# Altium PCB Motor_Control_Board.PcbDoc
Units mm, origin at the board's own origin, x right, y up, seen from the top; angles counter-clockwise.
Board outline 75 x 75 mm, 2 copper layers (Top Layer, Bottom Layer); 145 components, 96 nets, 486 pads, 0 vias.
Unrouted connection lines stored in the file: 343.
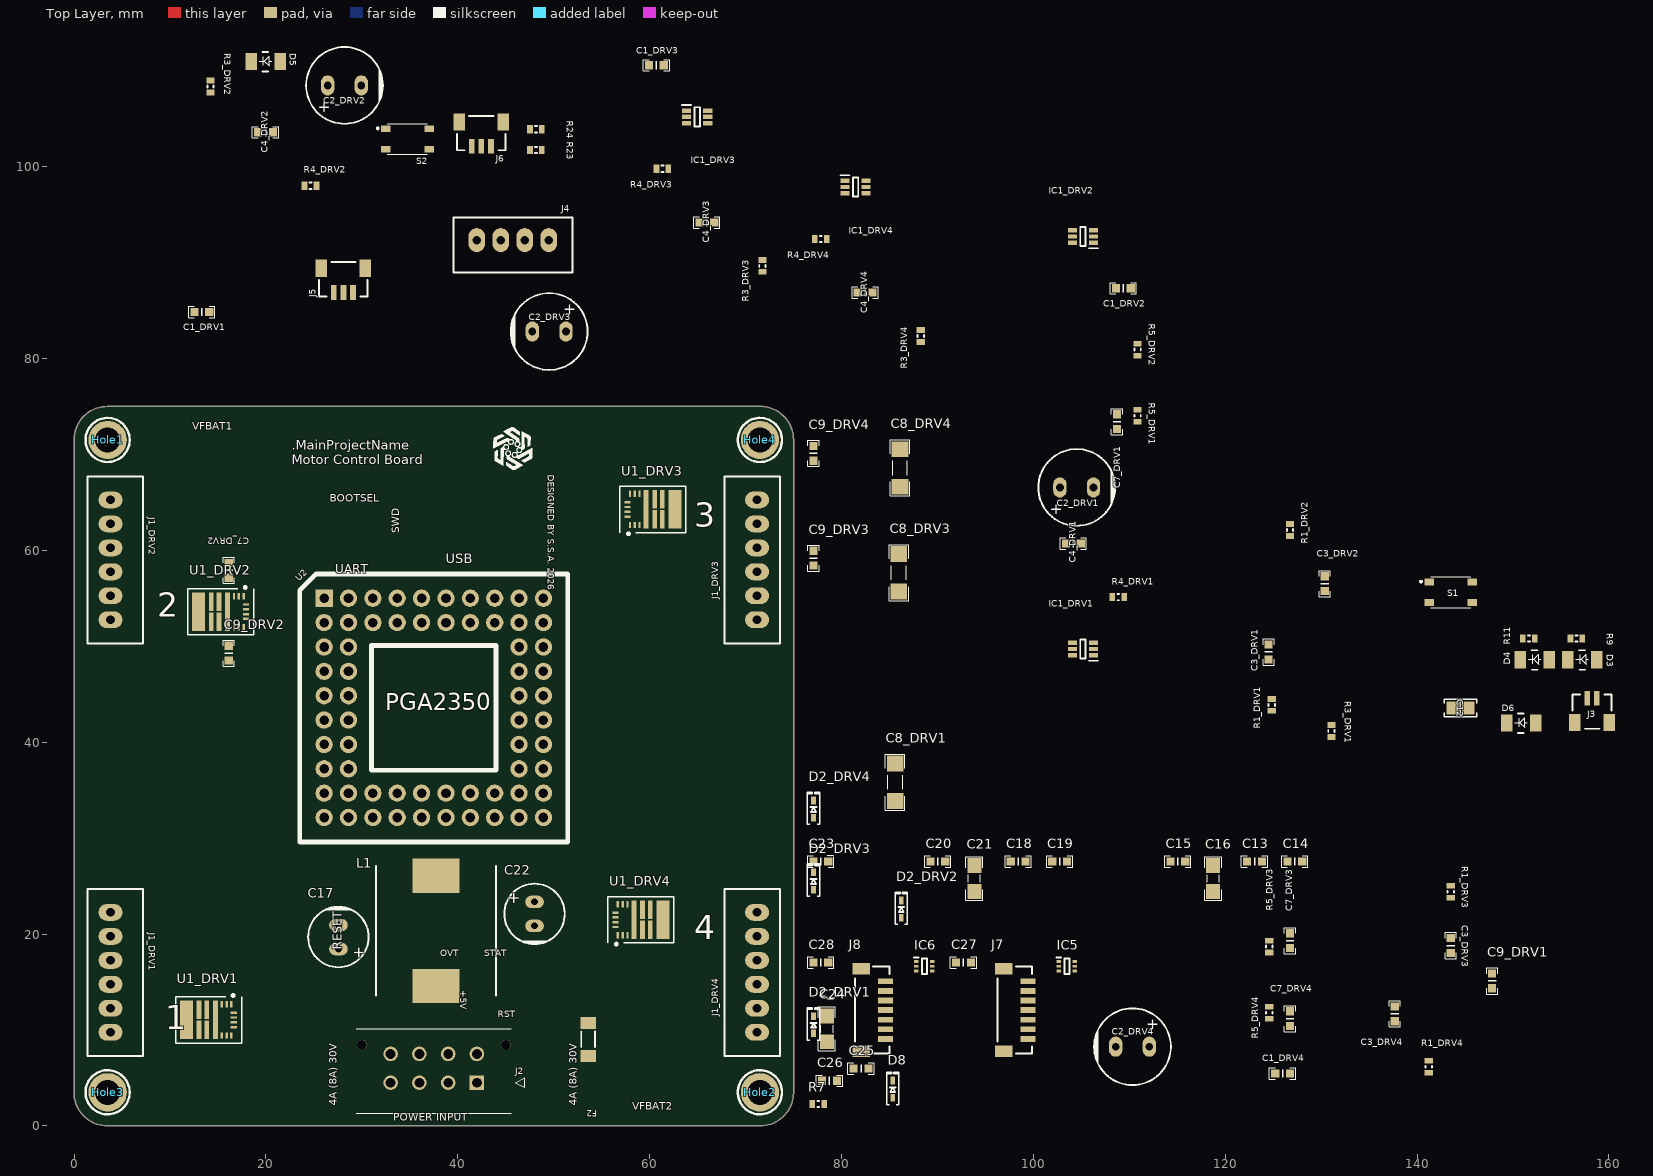
[diagram p0: Top Layer view]
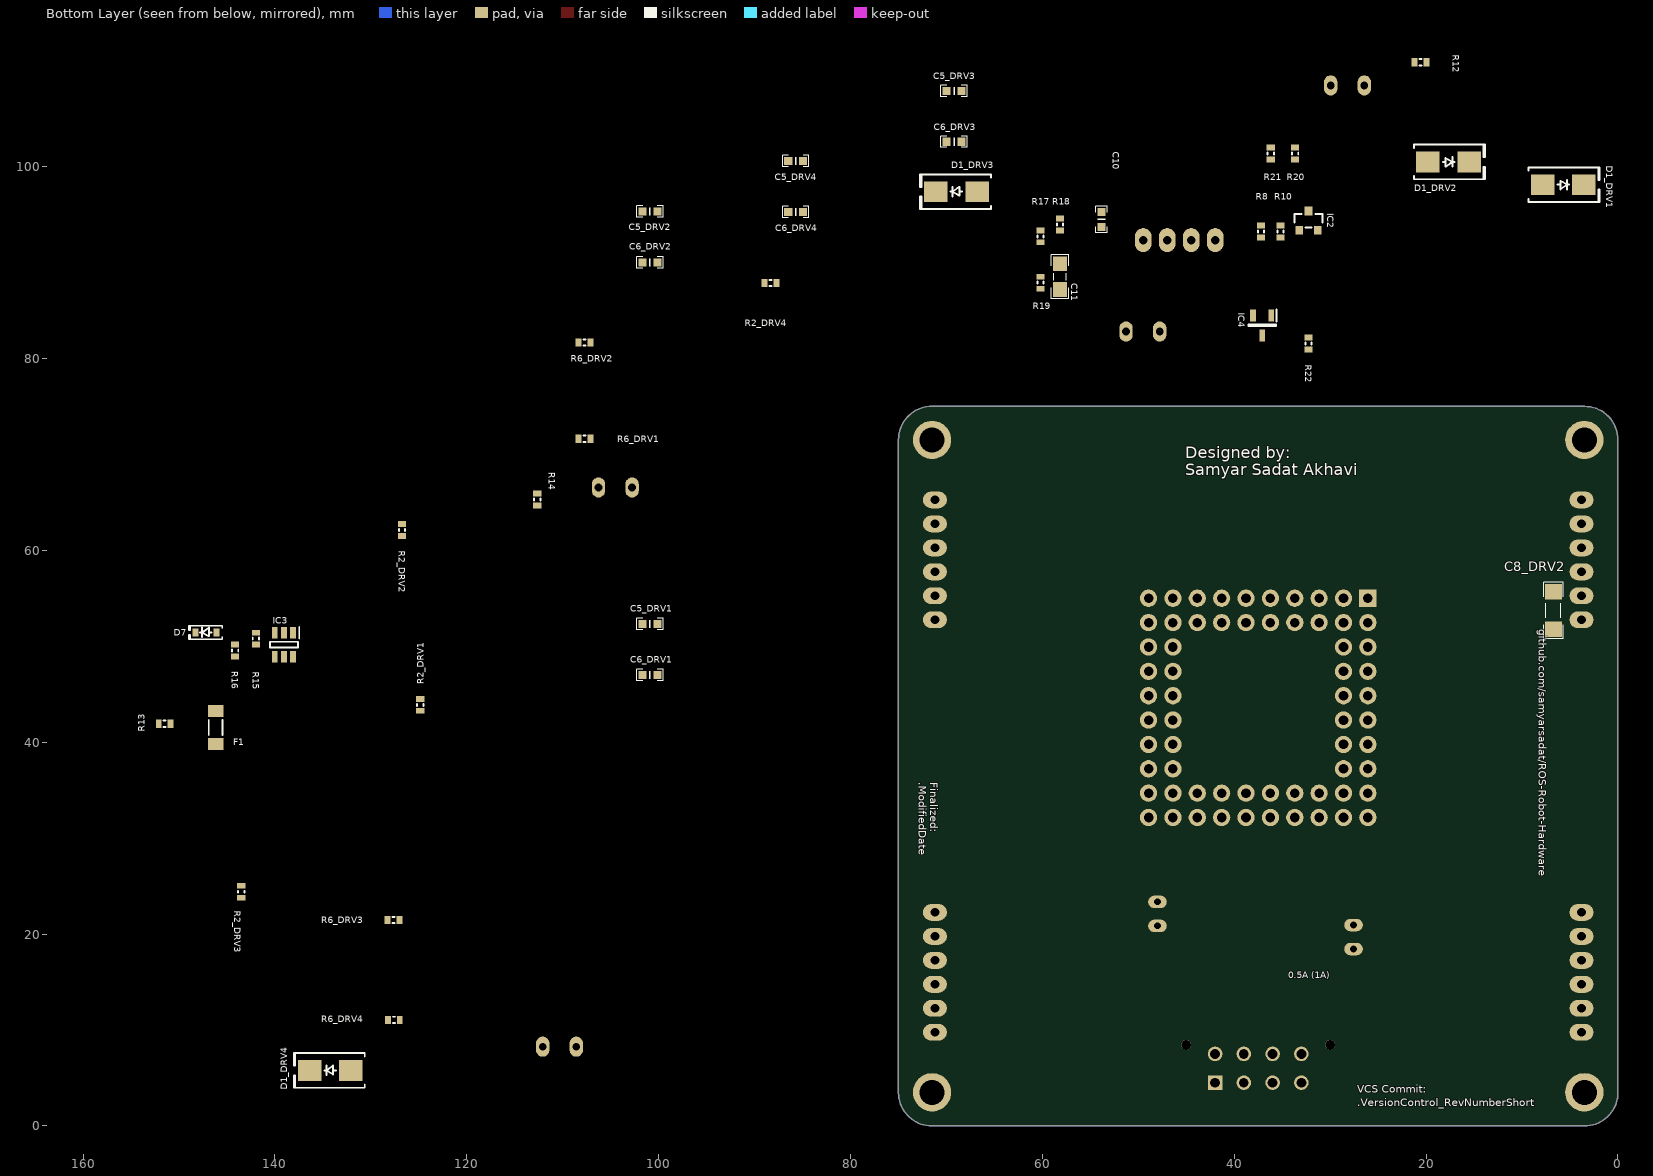
[diagram p1: Bottom Layer view, seen from below]

## Layer stack, top to bottom
Top Solder: solder mask 0.0254, SM-002, Dk 4
Top Layer: signal copper 0.07
Dielectric 1: dielectric 0.32, FR-4, Dk 4.8
Bottom Layer: signal copper 0.07
Bottom Solder: solder mask 0.0254, SM-002, Dk 4

## Board outline
0,3.479 0,71.521 cw(c3.479,71.521) 3.479,75 71.521,75 cw(c71.521,71.521) 75,71.521 75,3.479 cw(c71.521,3.479) 71.521,0 3.479,0 cw(c3.479,3.479)

## Design rules (kind name [scope] priority, off if disabled: settings)
BoardOutlineClearance [All] p1: gap=0.2 ignorepadtopadclearanceinfootprint=FALSE
Clearance "Stitching GND" [IsStitchingVia and InNet('GND') vs (IsVia and (Not IsStitchingVia)) Or IsPad] p1: gap=0.2 ignorepadtopadclearanceinfootprint=FALSE except(0.15: SMDPad-SMDPad; 0.28: Arc-Hole Track-Hole)
Clearance [All] p2: gap=0.2 ignorepadtopadclearanceinfootprint=FALSE except(0.15: SMDPad-SMDPad; 0.28: Arc-Hole Track-Hole)
DiffPairsRouting [All] p1: maxlimit=0.254 minlimit=0.254 mostfreqgap=0.254 toplayer_minwidth=0.381 toplayer_maxwidth=0.5 toplayer_prefwidth=0.4 bottomlayer_minwidth=0.381 bottomlayer_maxwidth=0.5 bottomlayer_prefwidth=0.4 maxuncoupledlength=12.7
Height [All] p1: minheight=0 maxheight=30 prefheight=15
HoleSize [All] p1: absolutevalues=TRUE maxlimit=6 minlimit=0.3 maxpercent=80.000 minpercent=20.000
HoleToHoleClearance HoleToHolePad [IsPad vs IsPad] p1: gap=0.45 allowstackedmicrovias=TRUE
HoleToHoleClearance HoleToHoleVia [IsVia vs IsVia] p2: gap=0.2 allowstackedmicrovias=TRUE
HoleToHoleClearance [All] p3: gap=0.3 allowstackedmicrovias=TRUE
MinimumAnnularRing MinimumViaAnnularRing [IsVia] p1: minimumring=0.15
MinimumAnnularRing [All] p2: minimumring=0.254
MinimumSolderMaskSliver [All] p1: minsoldermaskwidth=0.1
PlaneConnect [All] p1: planeconnectstyle=Relief reliefexpansion=0.508 reliefentries=4 reliefconductorwidth=0.32 reliefairgap=0.254
PolygonConnect MolexPwrGND [InNet('GND') vs IsPad And HasFootprint('43045-08YY_121314')] p1: connectstyle=Relief reliefconductorwidth=1 reliefentries=4 polygonreliefangle="90 Angle" conductorbypadedge=TRUE mindistance=0.381 enablemindistance=FALSE airgapwidth=0.35
PolygonConnect DRVTherrmalGND [InNet('GND') vs IsPad And HasFootprint('RXZ0016A-MFG')] p2: connectstyle=Direct reliefconductorwidth=0.254 reliefentries=4 polygonreliefangle="90 Angle" airgapwidth=0.254
PolygonConnect GNDStitchingDirect [InNet('GND')] p3: thpad.connectstyle=Relief thpad.reliefconductorwidth=0.32 thpad.reliefentries=4 thpad.polygonreliefangle="90 Angle" thpad.airgapwidth=0.254 thpad.conductorbypadedge=TRUE thpad.mindistance=0.381 thpad.enablemindistance=FALSE smdpad.connectstyle=Relief smdpad.reliefconductorwidth=0.32 smdpad.reliefentries=4 smdpad.polygonreliefangle="90 Angle" smdpad.airgapwidth=0.254 smdpad.conductorbypadedge=TRUE smdpad.mindistance=0.381 smdpad.enablemindistance=FALSE via.connectstyle=Direct via.reliefconductorwidth=0.254 via.reliefentries=4 via.polygonreliefangle="90 Angle" via.airgapwidth=0.254
PolygonConnect [All] p4: connectstyle=Relief reliefconductorwidth=0.32 reliefentries=4 polygonreliefangle="90 Angle" conductorbypadedge=TRUE mindistance=0.381 enablemindistance=FALSE airgapwidth=0.254
RoutingVias PowerVias [InNetClass('POWER') or InNet('GND')] p1: holewidth=0.5 width=0.8 viastyle="Through Hole" minholewidth=0.3 minwidth=0.6 maxholewidth=1.2 maxwidth=1.6
RoutingVias SignalVias [All] p2: holewidth=0.3 width=0.6 viastyle="Through Hole" minholewidth=0.3 minwidth=0.6 maxholewidth=0.5 maxwidth=0.8
SilkToSilkClearance [All] p1: silktosilkclearance=0.1
SilkToSolderMaskClearance [IsPad] p1: minsilkscreentomaskgap=0.1 clearancetoexposedcopper=TRUE
SolderMaskExpansion [All] p1: expansion=0.05 istentingtop=FALSE
SupplyNets "Supply Net VMOT" [InNet('VMOT')] p1: voltage=12.60
SupplyNets "Supply Net 5V" [InNet('+5V')] p2: voltage=5.000
SupplyNets "Supply Net 3V3" [InNet('+3V3')] p3: voltage=3.300
SupplyNets "Supply Net GND" [InNet('GND')] p4: voltage=0.000
UnRoutedNet [All] p1: checkbadconnections=TRUE
Width WidthPower [InNetClass('POWER') or InNet('GND')] p1: maxlimit=3 minlimit=0.2 preferedwidth=0.6
Width WidthSignal [All] p2: maxlimit=1 minlimit=0.2 preferedwidth=0.3
21 further rules are at their usual default settings.

## Classes and differential pairs
component class SENS: C27 C28 IC5 IC6 J7 J8
net class POWER: +3V3 +5V VMOT
channel class Motor_Driver: DRV1 DRV2 DRV3 DRV4
component class PWR: aa C10 C11 C12 C13 C14 C15 C16 C17 C18 C19 C20 C21 C22 C23 D5 D6 D7 F1 F2 IC3 J2 J3 L1 R12 R13 R14 R15 R16 R17 R18 R19 S1
component class Motor_Control_Board: aa D3 D4 Hole1 Hole2 Hole3 Hole4 IC2 R7 R8 R9 R10 R11
component class MCU: ** aa C24 C25 C26 IC4 J4 J5 J6 R20 R21 R22 R23 R24 S2 U2
component class DRV4: aa C1_DRV4 C2_DRV4 C3_DRV4 C4_DRV4 C5_DRV4 C6_DRV4 C7_DRV4 C8_DRV4 C9_DRV4 D1_DRV4 IC1_DRV4 J1_DRV4 R1_DRV4 R2_DRV4 R3_DRV4 R4_DRV4 R5_DRV4 R6_DRV4 U1_DRV4
component class DRV3: aa C1_DRV3 C2_DRV3 C3_DRV3 C4_DRV3 C5_DRV3 C6_DRV3 C7_DRV3 C8_DRV3 C9_DRV3 D1_DRV3 IC1_DRV3 J1_DRV3 R1_DRV3 R2_DRV3 R3_DRV3 R4_DRV3 R5_DRV3 R6_DRV3 U1_DRV3
component class DRV2: aa C1_DRV2 C2_DRV2 C3_DRV2 C4_DRV2 C5_DRV2 C6_DRV2 C7_DRV2 C8_DRV2 C9_DRV2 D1_DRV2 IC1_DRV2 J1_DRV2 R1_DRV2 R2_DRV2 R3_DRV2 R4_DRV2 R5_DRV2 R6_DRV2 U1_DRV2
component class DRV1: aa C1_DRV1 C2_DRV1 C3_DRV1 C4_DRV1 C5_DRV1 C6_DRV1 C7_DRV1 C8_DRV1 C9_DRV1 D1_DRV1 IC1_DRV1 J1_DRV1 R1_DRV1 R2_DRV1 R3_DRV1 R4_DRV1 R5_DRV1 R6_DRV1 U1_DRV1
differential pair USB_DIFF: +USB_DIFF_P -USB_DIFF_N

## Components (designator, comment, footprint, x,y, rotation, side; value= is the part's Value field where it differs from the comment)
C1_DRV1 "100nF" CAP_SMD_603 13.317,84.832 r180 top (schematic designator C1)
C1_DRV2 "100nF" CAP_SMD_603 109.38,87.319 r180 top (schematic designator C1)
C1_DRV3 "100nF" CAP_SMD_603 60.706,110.564 r0 top (schematic designator C1)
C1_DRV4 "100nF" CAP_SMD_603 125.984,5.461 r0 top (schematic designator C1)
C2_DRV1 "470uF" "CAP TH ALUM ELEC D8.00mm S3.50mm H11.50mm" 104.521,66.548 r180 top (schematic designator C2)
C2_DRV2 "470uF" "CAP TH ALUM ELEC D8.00mm S3.50mm H11.50mm" 28.194,108.458 r180 top (schematic designator C2)
C2_DRV3 "470uF" "CAP TH ALUM ELEC D8.00mm S3.50mm H11.50mm" 49.53,82.804 r0 top (schematic designator C2)
C2_DRV4 "470uF" "CAP TH ALUM ELEC D8.00mm S3.50mm H11.50mm" 110.335,8.255 r0 top (schematic designator C2)
C3_DRV1 "47nF" CAP_SMD_603 124.53,49.403 r270 top (schematic designator C3)
C3_DRV2 "47nF" CAP_SMD_603 130.372,56.515 r90 top (schematic designator C3)
C3_DRV3 "47nF" CAP_SMD_603 143.51,18.796 r90 top (schematic designator C3)
C3_DRV4 "47nF" CAP_SMD_603 137.668,11.684 r270 top (schematic designator C3)
C4_DRV1 "180pF" CAP_SMD_603 104.162,60.705 r180 top locked (schematic designator C4)
C4_DRV2 "180pF" CAP_SMD_603 19.961,103.578 r180 top locked (schematic designator C4)
C4_DRV3 "180pF" CAP_SMD_603 65.961,94.178 r0 top locked (schematic designator C4)
C4_DRV4 "180pF" CAP_SMD_603 82.471,86.865 r0 top locked (schematic designator C4)
C5_DRV1 "180pF" CAP_SMD_603 100.912,52.305 r0 bottom (schematic designator C5)
C5_DRV2 "180pF" CAP_SMD_603 100.912,95.305 r0 bottom (schematic designator C5)
C5_DRV3 "180pF" CAP_SMD_603 69.211,107.878 r180 bottom (schematic designator C5)
C5_DRV4 "180pF" CAP_SMD_603 85.721,100.565 r180 bottom (schematic designator C5)
C6_DRV1 "100nF" CAP_SMD_603 100.912,47.005 r0 bottom (schematic designator C6)
C6_DRV2 "100nF" CAP_SMD_603 100.912,90.005 r0 bottom (schematic designator C6)
C6_DRV3 "100nF" CAP_SMD_603 69.211,102.578 r180 bottom (schematic designator C6)
C6_DRV4 "100nF" CAP_SMD_603 85.721,95.265 r180 bottom (schematic designator C6)
C7_DRV1 "1nF" CAP_SMD_603 108.712,73.406 r90 top (schematic designator C7)
C7_DRV2 "1nF" CAP_SMD_603 16.129,57.912 r90 top (schematic designator C7)
C7_DRV3 "1nF" CAP_SMD_603 126.746,19.304 r270 top (schematic designator C7)
C7_DRV4 "1nF" CAP_SMD_603 126.746,11.176 r90 top (schematic designator C7)
C8_DRV1 "100nF" CAP_SMD_1206 85.598,35.814 r90 top (schematic designator C8)
C8_DRV2 "100nF" CAP_SMD_1206 6.731,53.721 r90 bottom (schematic designator C8)
C8_DRV3 "100nF" CAP_SMD_1206 85.979,57.658 r90 top (schematic designator C8)
C8_DRV4 "100nF" CAP_SMD_1206 86.106,68.58 r90 top (schematic designator C8)
C9_DRV1 "1nF" CAP_SMD_603 147.828,15.113 r90 top (schematic designator C9)
C9_DRV2 "1nF" CAP_SMD_603 16.129,49.276 r270 top (schematic designator C9)
C9_DRV3 "1nF" CAP_SMD_603 77.089,59.182 r90 top (schematic designator C9)
C9_DRV4 "1nF" CAP_SMD_603 77.089,70.104 r90 top (schematic designator C9)
C10 "100nF" CAP_SMD_603 53.848,94.488 r90 bottom
C11 "1uF" CAP_SMD_805 58.166,88.519 r270 bottom
C12 "22 µF" "CAP 0805_2012" 144.517,43.561 r0 top
C13 "1nF" CAP_SMD_603 123.063,27.559 r0 top
C14 "10nF" CAP_SMD_603 127.254,27.559 r0 top
C15 "100nF" CAP_SMD_603 115.062,27.559 r0 top
C16 "1uF" CAP_SMD_805 118.745,25.781 r90 top
C17 "150uF" "CAP TH ALUM ELEC D6.30mm S2.50mm H12.50mm" 27.559,19.685 r270 top
C18 "1nF" CAP_SMD_603 98.425,27.559 r0 top
C19 "10nF" CAP_SMD_603 102.743,27.559 r0 top
C20 "100nF" CAP_SMD_603 90.043,27.559 r0 top
C21 "1uF" CAP_SMD_805 93.853,25.781 r90 top
C22 "150uF" "CAP TH ALUM ELEC D6.30mm S2.50mm H12.50mm" 48.006,22.098 r90 top
C23 "22nF" CAP_SMD_603 77.851,27.559 r0 top
C24 "10uF" CAP_SMD_805 78.486,10.113 r90 top
C25 "100nF" CAP_SMD_603 82.042,5.969 r0 top
C26 "100nF" CAP_SMD_603 78.74,4.699 r0 top
C27 "100nF" CAP_SMD_603 92.71,17.018 r0 top
C28 "100nF" CAP_SMD_603 77.851,17.018 r0 top
D1_DRV1 "SMBJ13A" "DO214AA SMB" 5.705,98.118 r180 bottom (schematic designator D1)
D1_DRV2 "SMBJ13A" "DO214AA SMB" 17.661,100.478 r180 bottom (schematic designator D1)
D1_DRV3 "SMBJ13A" "DO214AA SMB" 68.961,97.378 r0 bottom (schematic designator D1)
D1_DRV4 "SMBJ13A" "DO214AA SMB" 134.239,5.775 r0 bottom (schematic designator D1)
D2_DRV1 "ESD5Z3.3T1G" SOD523F 77.089,10.541 r90 top (schematic designator D2)
D2_DRV2 "ESD5Z3.3T1G" SOD523F 86.233,22.595 r90 top (schematic designator D2)
D2_DRV3 "ESD5Z3.3T1G" SOD523F 77.089,25.527 r90 top (schematic designator D2)
D2_DRV4 "ESD5Z3.3T1G" SOD523F 77.089,33.02 r90 top (schematic designator D2)
D3 "LED" LED_1206 157.264,48.641 r0 top
D4 "LED" LED_1206 152.311,48.641 r0 top
D5 "LED" LED_1206 19.999,110.998 r0 top
D6 "LED" LED_1206 150.876,42.037 r0 top
D7 "BAS416,115" "SOD323 IPC" 147.193,51.435 r180 bottom
D8 "ESD5Z3.3T1G" SOD523F 85.344,3.821 r90 top
F1 "SF-1206F100-2" "FUSE 1206_3216 0.6MM" 146.177,41.529 r90 bottom
F2 "3413.0328.22" "FUSE 1206_3216 0.6MM" 53.594,9.017 r270 top
Hole1 "Hole" hole_2.6 3.5,71.5 r0 top locked
Hole2 "Hole" hole_2.6 71.5,3.5 r0 top locked
Hole3 "Hole" hole_2.6 3.5,3.5 r0 top locked
Hole4 "Hole" hole_2.6 71.5,71.5 r0 top locked
IC1_DRV1 "SN74LVC2G17DCKR" SOP65P210X110-6N 105.162,49.705 r180 top locked (schematic designator IC1)
IC1_DRV2 "SN74LVC2G17DCKR" SOP65P210X110-6N 105.162,92.705 r180 top locked (schematic designator IC1)
IC1_DRV3 "SN74LVC2G17DCKR" SOP65P210X110-6N 64.961,105.178 r0 top locked (schematic designator IC1)
IC1_DRV4 "SN74LVC2G17DCKR" SOP65P210X110-6N 81.471,97.865 r0 top locked (schematic designator IC1)
IC2 "DMP2045UQ-7" "DIODES SOT-23-3" 32.258,94.361 r90 bottom
IC3 "TPS3808G50DBVR" SOT95P280X145-6N 139.065,50.165 r270 bottom
IC4 "LM4040A30IDBZR" SOT95P237X112-3N 37.084,83.439 r270 bottom
IC5 "TMP112AIDRLR" SOTFL50P160X60-6N 103.505,16.637 r0 top
IC6 "TMP112AIDRLR" SOTFL50P160X60-6N 88.646,16.637 r0 top
J1_DRV1 "B6B-XH-A(LF)(SN)" "JST XH B6B-XH-A" 3.8,16 r90 top locked (schematic designator J1)
J1_DRV2 "B6B-XH-A(LF)(SN)" "JST XH B6B-XH-A" 3.8,59 r90 top locked (schematic designator J1)
J1_DRV3 "B6B-XH-A(LF)(SN)" "JST XH B6B-XH-A" 71.2,59 r270 top locked (schematic designator J1)
J1_DRV4 "B6B-XH-A(LF)(SN)" "JST XH B6B-XH-A" 71.2,16 r270 top locked (schematic designator J1)
J2 "43045-0812" 43045-08YY_121314 42,4.5 r0 top locked
J3 "BM02B-SRSS-TB(LF)(SN)" "JST BM02B-SRSS-TB" 158.242,43.307 r180 top
J4 "B4B-XH-A(LF)(SN)" "JST XH B4B-XH-A" 45.74,92.329 r0 top
J5 "BM03B-SRSS-TB(LF)(SN)" "JST BM03B-SRSS-TB" 28.081,88.146 r0 top
J6 "BM03B-SRSS-TB(LF)(SN)" "JST BM03B-SRSS-TB" 42.461,103.378 r0 top
J7 "BM07B-SRSS-TB(LF)(SN)" "JST BM07B-SRSS-TB" 98.171,12.065 r90 top
J8 "BM07B-SRSS-TB(LF)(SN)" "JST BM07B-SRSS-TB" 83.312,12.065 r90 top
L1 "PA4343.222NLT" INDPM135125X650N 37.719,20.32 r270 top
R1_DRV1 "3.4k" RES_0603 124.85,43.26 r90 top (schematic designator R1)
R1_DRV2 "3.4k" RES_0603 126.746,62.738 r270 top (schematic designator R1)
R1_DRV3 "3.4k" RES_0603 143.51,25.019 r270 top (schematic designator R1)
R1_DRV4 "3.4k" RES_0603 141.224,5.541 r90 top (schematic designator R1)
R2_DRV1 "4.7k" RES_0603 124.85,43.26 r90 bottom (schematic designator R2)
R2_DRV2 "4.7k" RES_0603 126.746,62.738 r270 bottom (schematic designator R2)
R2_DRV3 "4.7k" RES_0603 143.51,25.019 r270 bottom (schematic designator R2)
R2_DRV4 "4.7k" RES_0603 88.971,87.865 r180 bottom (schematic designator R2)
R3_DRV1 "0R" RES_0603 131.064,41.783 r270 top (schematic designator R3)
R3_DRV2 "0R" RES_0603 14.224,108.966 r270 top (schematic designator R3)
R3_DRV3 "0R" RES_0603 71.755,89.027 r90 top (schematic designator R3)
R3_DRV4 "0R" RES_0603 88.265,81.714 r90 top (schematic designator R3)
R4_DRV1 "100R" RES_0603 109.474,55.118 r180 top (schematic designator R4)
R4_DRV2 "100R" RES_0603 25.273,97.991 r180 top (schematic designator R4)
R4_DRV3 "100R" RES_0603 60.706,99.769 r0 top (schematic designator R4)
R4_DRV4 "100R" RES_0603 77.216,92.456 r0 top (schematic designator R4)
R5_DRV1 "100R" RES_0603 110.871,73.406 r90 top (schematic designator R5)
R5_DRV2 "100R" RES_0603 110.871,81.534 r270 top (schematic designator R5)
R5_DRV3 "100R" RES_0603 124.587,19.304 r270 top (schematic designator R5)
R5_DRV4 "100R" RES_0603 124.587,11.176 r90 top (schematic designator R5)
R6_DRV1 "4.7k" RES_0603 107.108,71.628 r0 bottom (schematic designator R6)
R6_DRV2 "4.7k" RES_0603 107.108,81.661 r0 bottom (schematic designator R6)
R6_DRV3 "4.7k" RES_0603 128.27,21.463 r180 bottom (schematic designator R6)
R6_DRV4 "4.7k" RES_0603 128.223,11.049 r180 bottom (schematic designator R6)
R7 "10k" RES_0603 76.962,2.286 r0 top
R8 "10k" RES_0603 37.211,93.853 r270 bottom
R9 "220R" RES_0603 157.226,50.8 r180 top
R10 "220R" RES_0603 35.179,93.853 r270 bottom
R11 "220R" RES_0603 152.273,50.8 r180 top
R12 "1.76k" RES_0603 19.961,110.878 r0 bottom
R13 "330R" RES_0603 150.876,41.91 r0 bottom
R14 "10k" RES_0603 112.649,65.913 r270 bottom
R15 "49.9k" RES_0603 141.986,50.165 r90 bottom
R16 "10k" RES_0603 144.145,50.165 r270 bottom
R17 "25.5k" RES_0603 60.198,93.345 r270 bottom
R18 "8.25k" RES_0603 58.166,93.345 r90 bottom
R19 "100R" RES_0603 60.198,88.519 r270 bottom
R20 "10k" RES_0603 33.655,101.981 r270 bottom
R21 "10k" RES_0603 36.195,101.981 r270 bottom
R22 "1.5k" RES_0603 32.258,82.169 r270 bottom
R23 "100R" RES_0603 48.768,101.727 r180 top
R24 "100R" RES_0603 48.768,103.886 r180 top
S1 "PTS815_SJK_250_SMTR_LFS" PTS815SJK250SMTRLFS 143.51,55.626 r0 top
S2 "PTS815_SJK_250_SMTR_LFS" PTS815SJK250SMTRLFS 34.761,102.878 r0 top locked
U1_DRV1 "DRV8245SQRXZRQ1" RXZ0016A-MFG 14.032,11.049 r270 top (schematic designator U1)
U1_DRV2 "DRV8245SQRXZRQ1" RXZ0016A-MFG 15.302,53.594 r270 top (schematic designator U1)
U1_DRV3 "DRV8245SQRXZRQ1" RXZ0016A-MFG 60.325,64.262 r90 top (schematic designator U1)
U1_DRV4 "DRV8245SQRXZRQ1" RXZ0016A-MFG 59.071,21.485 r90 top (schematic designator U1)
U2 "PGA2350" PGA2350 26.07,55 r0 top locked

## Footprints (in the part's own frame and the unit in brackets; to place one, negate y for a bottom-side part, rotate by r counter-clockwise, add the part's x,y. Pads: shape width x height; smd on the part's side, far side on the other; paste and mask are expansions set on the pad)
43045-08YY_121314 [mm]
  rect 1.52x1.52 hole 1.02: 1(0,0)
  round 1.52 hole 1.02: 2(-3,0) 3(-6,0) 4(-9,0) 5(0,3) 6(-3,3) 7(-6,3) 8(-9,3)
  round 1.02 hole 1.02 unplated: 9(3,3.94) 10(-12,3.94)
  silkscreen extent -12.57,-3.17 5,5.6, body extent -12.58,-2.47 3.57,6.3, height 9.83
"CAP 0805_2012" [mm] "Chip Capacitor, 2-Leads, Body 2.00x1.20mm, IPC Medium Density"
  rect 1.3x1.4 smd: 1(-0.8,0) 2(0.8,0)
  silkscreen extent -1.7,-0.9 1.7,0.9, body extent -1,-0.64 1,0.64, height 1.26
"CAP TH ALUM ELEC D6.30mm S2.50mm H12.50mm" [mm] "6.3mm Diameter 2.5mm Lead Spacing Aluminum Electrolytic Capacitors Radial, Can"
  oval 1.3x1.95 hole 0.7: 1(1.25,0) 2(-1.25,0)
  silkscreen extent -3.15,-3.15 3.15,3.15, body extent -3.16,-3.15 3.15,3.15, height 12.5
"CAP TH ALUM ELEC D8.00mm S3.50mm H11.50mm" [mm] "8mm Diameter 3.5mm Lead Spacing Aluminum Electrolytic Capacitors Radial, Can"
  oval 1.4x2.1 hole 0.8: 1(1.75,0) 2(-1.75,0)
  silkscreen extent -4,-4 4,4, body extent -4.01,-4 4,4, height 11.5
CAP_SMD_603 [mm]
  rect 0.85x0.85 smd: 1(-0.775,0) 2(0.775,0)
  silkscreen extent -1.37,-0.59 1.37,0.59, body extent -0.8,-0.4 0.8,0.4, height 0.9
CAP_SMD_805 [mm]
  rect 1.55x1.45 smd: 1(-1.35,0) 2(1.35,0)
  silkscreen extent -2.29,-0.89 2.29,0.89, body extent -1,-0.63 1,0.62, height 0.78
CAP_SMD_1206 [mm]
  rect 1.65x1.75 smd: 1(-1.95,0) 2(1.95,0)
  silkscreen extent -2.92,-1.02 2.92,1.02, body extent -1.6,-0.8 1.6,0.8, height 1
"DIODES SOT-23-3" [mm] "SOT23, 3-Leads, Body 2.90x2.40mm, Pitch 0.95mm, IPC Medium Density"
  rect 0.9x0.8 smd: 1(-1,0.95) 2(-1,-0.95) 3(1,0)
  silkscreen extent -0.7,-1.45 0.7,1.45, body extent -1.41,-1.45 1.41,1.45, height 1.5
"DO214AA SMB" [mm] "Molded Diode, 2-Leads, Body 4.31x3.62mm, IPC Medium Density"
  rect 2.45x2.15 smd: 1(-2.15,0) 2(2.15,0)
  silkscreen extent -3.6,-1.8 3.8,1.8, body extent -2.6,-1.8 2.6,1.8, height 2.4
"FUSE 1206_3216 0.6MM" [mm] "Chip Fuse 1.5A AC 63V DC, 2-Leads, Body 3.10x1.55mm, IPC Medium Densitym"
  rect 1.25x1.65 smd: 1(-1.725,0) 2(1.725,0)
  silkscreen extent -0.8,-0.72 0.8,0.72, body extent -1.55,-0.77 1.55,0.78, height 0.76
hole_2.6 [mm] "2.6mm hole with exposed ring"
  round 4 hole 2.6: 1(0,0)
  silkscreen extent -2.3,-2.3 2.3,2.3
INDPM135125X650N [mm]
  rect 3.55x4.9 smd: 1(-5.75,0) 2(5.75,0)
  silkscreen extent -6.75,-6.25 6.75,6.25, body extent -6.75,-6.25 6.75,6.25, height 6.5
"JST BM02B-SRSS-TB" [mm] "1.0mm pitch/Disconnectable Crimp style connector"
  rect 0.6x1.55 smd: 1(-0.5,-1.262) 2(0.5,-1.262)
  rect 1.2x1.8 smd: M(-1.8,1.262) M(1.8,1.262)
  silkscreen extent -2.03,-1.68 2.03,1.91, body extent -2,-1.69 2,1.91, height 4.32
"JST BM03B-SRSS-TB" [mm] "1.0mm pitch/Disconnectable Crimp style connector"
  rect 0.6x1.55 smd: 1(-1,-1.262) 2(0,-1.262) 3(1,-1.262)
  rect 1.2x1.8 smd: M(-2.3,1.262) M(2.3,1.262)
  silkscreen extent -2.53,-1.68 2.53,1.91, body extent -2.5,-1.69 2.5,1.91, height 4.32
"JST BM07B-SRSS-TB" [mm] "1.0mm pitch/Disconnectable Crimp style connector"
  rect 0.6x1.55 smd: 1(-3,-1.262) 2(-2,-1.262) 3(-1,-1.262) 4(0,-1.262) 5(1,-1.262) 6(2,-1.262) 7(3,-1.262)
  rect 1.2x1.8 smd: M(-4.3,1.262) M(4.3,1.262)
  silkscreen extent -4.53,-1.68 4.53,1.91, body extent -4.5,-1.69 4.5,1.91, height 4.32
"JST XH B4B-XH-A" [mm]
  oval 1.75x2.5 hole 0.9: 1(-3.75,0) 2(-1.25,0) 3(1.25,0) 4(3.75,0)
  silkscreen extent -6.2,-3.38 6.2,2.38, body extent -6.2,-3.38 6.2,2.38, height 7
"JST XH B6B-XH-A" [mm]
  oval 1.75x2.5 hole 0.9: 1(-6.25,0) 2(-3.75,0) 3(-1.25,0) 4(1.25,0) 5(3.75,0) 6(6.25,0)
  silkscreen extent -8.7,-3.38 8.7,2.38, body extent -8.7,-3.38 8.7,2.38, height 7
LED_1206 [mm]
  rect 1.2x1.8 smd: 1(1.473,-0.051) 2(-1.549,-0.051)
  silkscreen extent -0.7,-1.09 0.6,0.94, body extent -1.57,-0.86 1.63,0.74, height 1.11
PGA2350 [mm] "RP2350B carrier module"
  rect 1.8x1.8 hole 1: 1(0,0)
  round 1.8 hole 1: 2(2.54,0) 3(5.08,0) 4(7.62,0) 5(10.16,0) 6(12.7,0) 7(15.24,0) 8(17.78,0) 9(20.32,0) 10(22.86,0) 11(22.86,-2.54) 12(22.86,-5.08) 13(22.86,-7.62) 14(22.86,-10.16) 15(22.86,-12.7) 16(22.86,-15.24) 17(22.86,-17.78) 18(22.86,-20.32) 19(22.86,-22.86) 20(20.32,-22.86) 21(17.78,-22.86) 22(15.24,-22.86) 23(12.7,-22.86) 24(10.16,-22.86) 25(7.62,-22.86) 26(5.08,-22.86) 27(2.54,-22.86) 28(0,-22.86) 29(0,-20.32) 30(0,-17.78) 31(0,-15.24) 32(0,-12.7) 33(0,-10.16) 34(0,-7.62) 35(0,-5.08) 36(0,-2.54) 37(2.54,-2.54) 38(5.08,-2.54) 39(7.62,-2.54) 40(10.16,-2.54) 41(12.7,-2.54) 42(15.24,-2.54) 43(17.78,-2.54) 44(20.32,-2.54) 45(20.32,-5.08) 46(20.32,-7.62) 47(20.32,-10.16) 48(20.32,-12.7) 49(20.32,-15.24) 50(20.32,-17.78) 51(20.32,-20.32) 52(17.78,-20.32) 53(15.24,-20.32) 54(12.7,-20.32) 55(10.16,-20.32) 56(7.62,-20.32) 57(5.08,-20.32) 58(2.54,-20.32) 59(2.54,-17.78) 60(2.54,-15.24) 61(2.54,-12.7) 62(2.54,-10.16) 63(2.54,-7.62) 64(2.54,-5.08)
  silkscreen extent -2.54,-25.4 25.4,2.54, body extent -1.4,-24.26 24.26,1.4, height 14.45
PTS815SJK250SMTRLFS [mm]
  rect 1x0.7 smd: 1(-2.25,1.075) 1(2.25,1.075) 2(-2.25,-1.075) 2(2.25,-1.075)
  silkscreen extent -3.2,-1.6 2.07,1.6, body extent -2.3,-1.6 2.3,1.6, height 2.5
RES_0603 [mm]
  rect 0.6x0.85 smd: 1(0,0) 2(1.244,0)
  silkscreen extent 0.52,-0.33 0.72,0.33, body extent -0.14,-0.38 1.38,0.38, height 0.45
RXZ0016A-MFG [mm]
  rect 0.65x0.25 smd paste+0 mask+0: 1(-1.625,2.375) 2(-1.625,1.875) 3(-1.625,1.375) 10(1.625,1.375) 11(1.625,1.875) 12(1.625,2.375)
  rect 4x0.5 smd paste-1.987 mask-1.981: 4(0,0.7)
  rect 1.925x0.5 smd paste-0.95 mask-0.953: 5(-1.038,-0.2) 6(-1.038,-1) 8(1.038,-1) 9(1.038,-0.2)
  rect 4x1.35 smd paste-1.987 mask-1.981: 7(0,-2.325)
  rect 0.25x0.65 smd paste+0 mask+0: 13(0.75,2.625) 14(0.25,2.625) 15(-0.25,2.625) 16(-0.75,2.625)
  silkscreen extent -2.66,-3.43 2.41,3.43, body extent -1.75,-2.75 1.75,2.75, height 1